# Altium PCB waffling60-MXHS-ISO.PcbDoc (part 1 of 2) (continued)
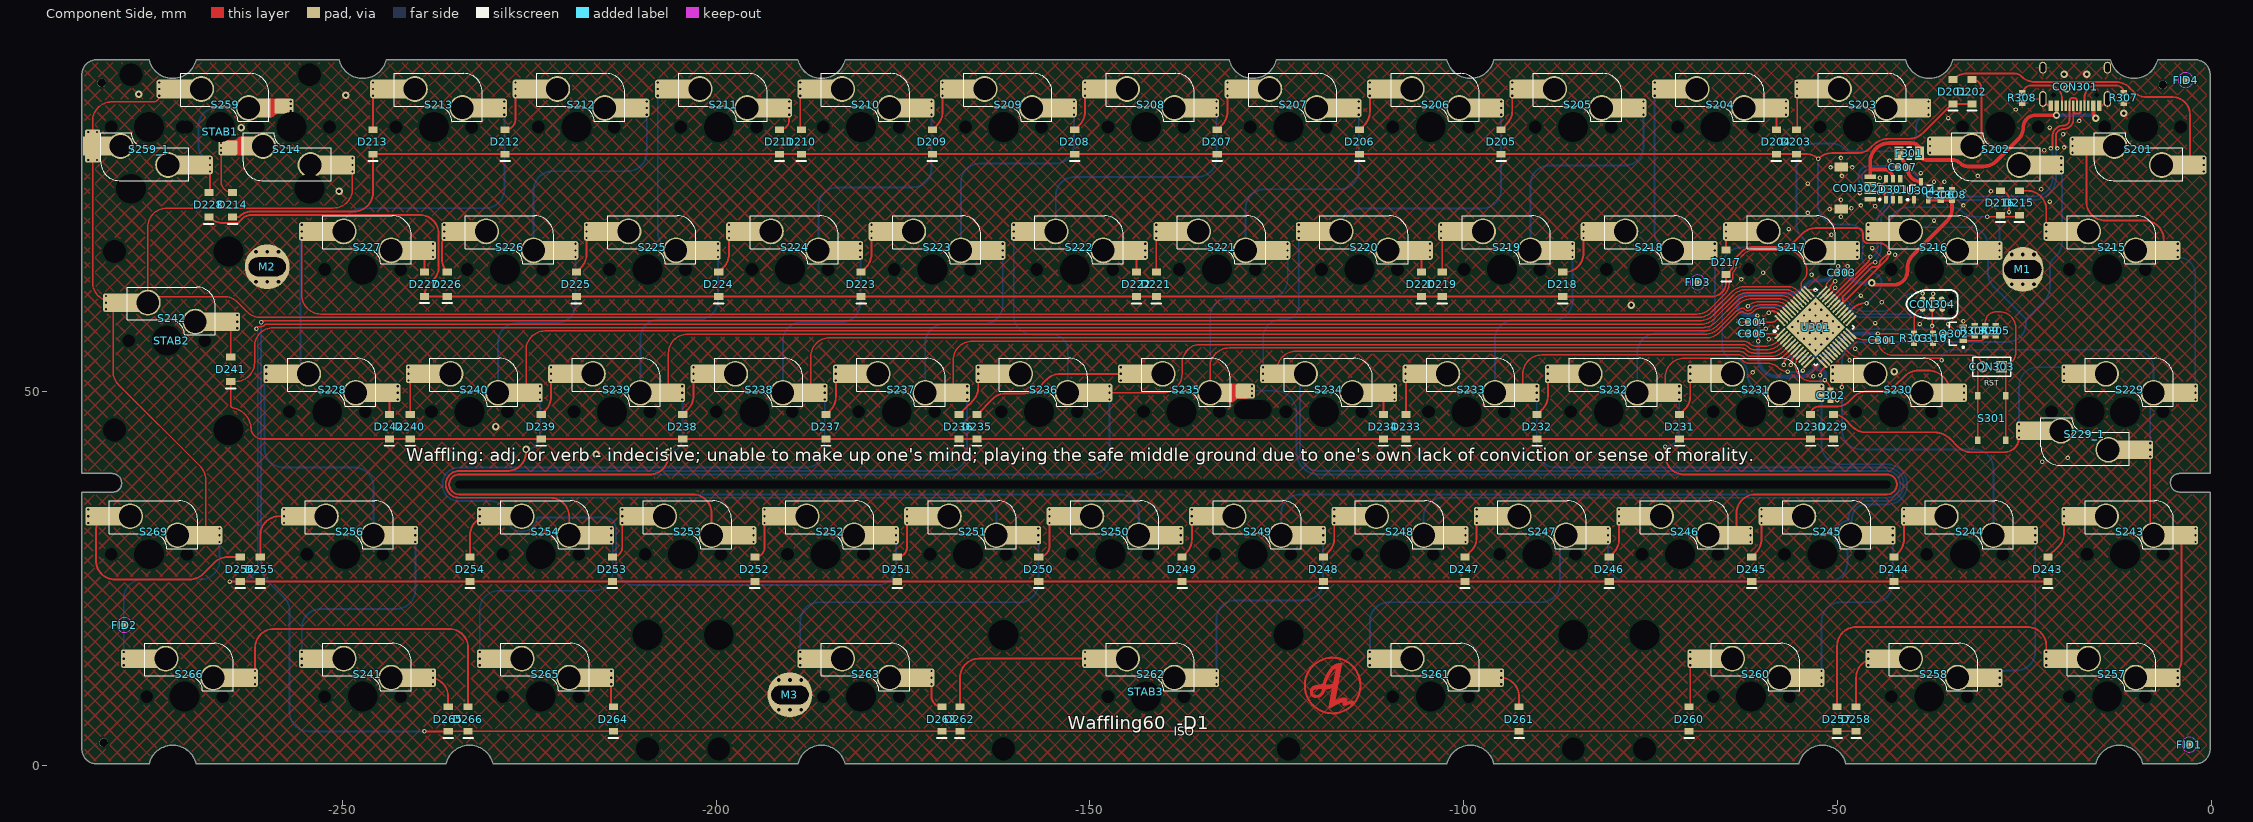
[diagram p0: Component Side view]
## Footprints (in the part's own frame and the unit in brackets; to place one, negate y for a bottom-side part, rotate by r counter-clockwise, add the part's x,y. Pads: shape width x height; smd on the part's side, far side on the other; paste and mask are expansions set on the pad) (continued)
  Component Side region: 6.121,1.295 6.121,3.785 8.839,3.785 8.839,1.905 8.83,1.856 8.802,1.815 8.761,1.788 8.712,1.778 8.712,1.778 7.891,1.778 7.476,1.696 7.125,1.46 7.125,1.461 6.942,1.338 6.726,1.295 6.726,1.295
  silkscreen extent -5.32,0.76 6.48,7.16, body extent -6.6,0.85 7.9,6.75
"MXHS-switch - 1U Top layer - switched pol AS2" [mm]
  round 3.45 hole 3 mask+0: 1(3.81,2.54) 2(-2.54,5.08)
  rect 2.55x2.5 smd paste-40 mask+0.102: 1(5.588,2.54) 2(-4.318,5.08)
  rect 2.55x2.5 smd: 1(7.56,2.54) 2(-6.29,5.08)
  rrect25% 2.55x2.5 smd paste-40 mask+0.102: 1(8.52,2.54) 2(-7.25,5.08)
  round 0.6 hole 0.3 mask+0.102: 1(9.42,1.651) 1(9.42,2.54) 1(9.42,3.429) 2(-8.15,5.969) 2(-8.15,4.191) 2(-8.15,5.08)
  round 1 hole 1.7 unplated: ""(-5.08,0) ""(5.08,0)
  round 1 hole 4 unplated: ""(0,0)
  silkscreen extent -5.32,0.76 6.48,7.16, body extent -6.6,0.85 7.9,6.75
R0603[1608] [mm] "Chip Resistor, 2-Leads, Body 1,57x0,80mm, IPC Medium Density"
  rect 0.8x0.85 smd: 1(-0.65,0) 2(0.65,0)
  body extent -0.83,-0.43 0.82,0.43, height 0.5
SOD-123 [mm]
  rect 0.91x1.22 smd: 1(1.635,0) 2(-1.635,0)
  silkscreen extent -2.54,-0.64 -2.54,0.63, body extent -1.87,-0.85 1.88,0.85, height 1.2
SOT-23-3 [mm] "3.3v regulator, used in Windsond S2 proto 1"
  rect 1x0.55 smd: 1(-1.2,0.95) 2(-1.2,-0.95) 3(1.2,0)
  silkscreen extent -1.33,-1.55 0.7,1.95, body extent -1.45,-1.5 1.1,1.5, height 1
SOT-23-6 [mm]
  rect 1x0.55 smd: 1(-1.375,0.95) 2(-1.375,0) 3(-1.375,-0.95) 4(1.375,-0.95) 5(1.375,0) 6(1.375,0.95)
  silkscreen extent -1.5,-1.55 0.46,1.92, body extent -1.37,-1.44 1.47,1.49, height 1.05
"Stab 2u" [mil]
  round 60 hole 157.01 unplated: ""(-470,-325) ""(470,-325)
  round 60 hole 120 unplated: ""(-470,275) ""(470,275)
  round 39.37 on Mech13: ""(0,0) ""(0,0)
"Stab 3u"#1 [mil]
  round 60 hole 157.01 unplated: ""(-750,-325)
  round 60 hole 120 unplated: ""(-750,275)
  round 39.37 on Mech14: ""(0,0) ""(0,0)
"Stab 3u"#2 [mil]
  round 39.37 on Mech14: ""(0,0) ""(0,0)
  round 60 hole 157.01 unplated: ""(750,-325)
  round 60 hole 120 unplated: ""(750,275)
"Stab 7U" [mil]
  round 60 hole 157.01 unplated: ""(-2250,-325) ""(2250,-325)
  round 60 hole 120 unplated: ""(-2250,275) ""(2250,275)
  round 39.37 on Mech13: ""(0,0)
"Stab 10U" [mil]
  round 60 hole 157.01 unplated: ""(-2625,-325) ""(2625,-325)
  round 60 hole 120 unplated: ""(-2625,275) ""(2625,275)
  round 39.37 on Mech14: ""(0,0)
"STM32 - COMBO 7X7MM" [mm] "LQFP48, 7x7mm"
  oval 1.45x0.3 smd paste-5: 1(-4.225,2.75) 2(-4.225,2.25) 3(-4.225,1.75) 4(-4.225,1.25) 5(-4.225,0.75) 6(-4.225,0.25) 7(-4.225,-0.25) 8(-4.225,-0.75) 9(-4.225,-1.25) 10(-4.225,-1.75) 11(-4.225,-2.25) 12(-4.225,-2.75) 25(4.225,-2.75) 26(4.225,-2.25) 27(4.225,-1.75) 28(4.225,-1.25) 29(4.225,-0.75) 30(4.225,-0.25) 31(4.225,0.25) 32(4.225,0.75) 33(4.225,1.25) 34(4.225,1.75) 35(4.225,2.25) 36(4.225,2.75)
  oval 0.8x0.25 smd: 1(-3.4,2.75) 2(-3.4,2.25) 3(-3.4,1.75) 4(-3.4,1.25) 5(-3.4,0.75) 6(-3.4,0.25) 7(-3.4,-0.25) 8(-3.4,-0.75) 9(-3.4,-1.25) 10(-3.4,-1.75) 11(-3.4,-2.25) 12(-3.4,-2.75) 25(3.4,-2.75) 26(3.4,-2.25) 27(3.4,-1.75) 28(3.4,-1.25) 29(3.4,-0.75) 30(3.4,-0.25) 31(3.4,0.25) 32(3.4,0.75) 33(3.4,1.25) 34(3.4,1.75) 35(3.4,2.25) 36(3.4,2.75)
  oval 0.25x0.8 smd: 13(-2.75,-3.4) 14(-2.25,-3.4) 15(-1.75,-3.4) 16(-1.25,-3.4) 17(-0.75,-3.4) 18(-0.25,-3.4) 19(0.25,-3.4) 20(0.75,-3.4) 21(1.25,-3.4) 22(1.75,-3.4) 23(2.25,-3.4) 24(2.75,-3.4) 37(2.75,3.4) 38(2.25,3.4) 39(1.75,3.4) 40(1.25,3.4) 41(0.75,3.4) 42(0.25,3.4) 43(-0.25,3.4) 44(-0.75,3.4) 45(-1.25,3.4) 46(-1.75,3.4) 47(-2.25,3.4) 48(-2.75,3.4)
  oval 0.3x1.45 smd paste-5: 13(-2.75,-4.225) 14(-2.25,-4.225) 15(-1.75,-4.225) 16(-1.25,-4.225) 17(-0.75,-4.225) 18(-0.25,-4.225) 19(0.25,-4.225) 20(0.75,-4.225) 21(1.25,-4.225) 22(1.75,-4.225) 23(2.25,-4.225) 24(2.75,-4.225) 37(2.75,4.225) 38(2.25,4.225) 39(1.75,4.225) 40(1.25,4.225) 41(0.75,4.225) 42(0.25,4.225) 43(-0.25,4.225) 44(-0.75,4.225) 45(-1.25,4.225) 46(-1.75,4.225) 47(-2.25,4.225) 48(-2.75,4.225)
  rect 5.6x5.6 smd: 47(0,0)
  silkscreen extent -4.43,-3.65 3.65,3.65, body extent -3.52,-3.52 3.52,3.52, height 0.5
TC2030-IDC-NL [mm] "Tag-Connect 6-Pin with No Legs (PN# TC2030-IDC-NL)"
  round 0.9 hole 0.995 unplated: 0(-2.54,0) 0(2.54,-1.016) 0(2.54,1.016)
  round 0.79 smd paste-0.39: 1(-1.27,-0.635) 2(-1.27,0.635) 3(0,-0.635) 4(0,0.635) 5(1.35,-0.635) 6(1.27,0.635)
  silkscreen extent -3.43,-1.91 3.43,1.9
TYPE-C-31-M-12 [mm]
  rect 0.6x1.45 smd: A1B12(-3.25,0) A4B9(-2.45,0) B1A12(3.25,0) B4A9(2.45,0)
  rect 0.3x1.45 smd: A5(-1.25,0) A6(-0.25,0) A7(0.25,0) A8(1.25,0) B5(1.75,0) B6(0.75,0) B7(-0.75,0) B8(-1.75,0)
  oval 1x2.1 / inner oval 1x2.1 / far side oval 1.3x2.4 hole 0.6 slot 1.7 at 90 deg: S1(-4.32,-0.915) S1(4.32,-0.915)
  oval 1x1.6 / inner oval 1x1.6 / far side oval 1.3x2 hole 0.6 slot 1.2 at 90 deg: S1(-4.32,-5.095) S1(4.32,-5.095)
  round 0 hole 0.65 unplated: ""(-2.89,-1.445) ""(2.89,-1.445)
  body extent -4.47,-7.72 4.47,0.18, height 3.21
"XKB Switch" [mm] "XKB Enterprise TS-1187A-C-D-B"
  rect 1x0.75 smd: 1(-3,1.875) 1(3,1.875) 2(-3,-1.875) 2(3,-1.875)
  body extent -3.25,-2.55 3.25,2.55, height 2

## Part data
C301 C302 C303 C304 C305 C306 C308 C310: library part Cap, "Capacitor", LCSC MFG=YAGEO, LCSC Part #=C14663, MFG=KEMET, MFGPN=C0603C104M5RACTU, MRF.Part=CC0603KRX7R9BB104, Version="0603 imperial"
C307: library part Cap, "Capacitor", LCSC MFG="Samsung Electro-Mechanics", LCSC Part #=C15849, MRF.Part=CL10A105KB8NNNC, Version="0603 imperial"
C309: library part Cap, "Capacitor", LCSC MFG="Samsung Electro-Mechanics", LCSC Part #=C19666, Version="0603 imperial"
CON301: LCSC MFG="Korean Hroparts Elec", LCSC Part #=C165948, MFG="Korean Hroparts Elec", MFGPN=TYPE-C-31-M-12, MRF.Part=TYPE-C-31-M-12
CON302: "JST for USB daughter board", LCSC MFG="JST Sales America", LCSC Part #=C160404, MFG="JST Sales America Inc.", MFGPN=SM04B-SRSS-TB(LF)(SN), MRF.Part=SM04B-SRSS-TB(LF)(SN)
CON303: "Header, 2-Pin"
CON304: library part "Header 3X2", "Header, 3-Pin, Dual row"
D201 D202 D203 D204 D205 D206 D207 D208 D209 D210 D211 D212 D213 D214 D215 D216 D217 D218 D219 D220 D221 D222 D223 D224 D225 D226 D227 D228 D229 D230 D231 D232 D233 D234 D235 D236 D237 D238 D239 D240 D241 D242 D243 D244 D245 D246 D247 D248 D249 D250 D251 D252 D253 D254 D255 D256 D257 D258 D260 D261 D262 D263 D264 D265 D266: "Default Diode", LCSC MFG=ST(Semtech), LCSC Part #=C81598, MRF.Part=1N4148W, Version=SOD-123
D301: LCSC MFG="ProTek Devices", LCSC Part #=C85364, MRF.Part=SRV05-4-P-T7
F301: "Thermal Fuse", LCSC MFG="Shenzhen JDT Fuse", LCSC Part #=C135338, MFG="Bel Fuse Inc.", MFGPN=0ZCJ0050FF2G, MRF.Part=ASMD1206-050
Q302: library part MOSFET-N, "N-Channel MOSFET", LCSC MFG="Changjiang Electronics Tech (CJ)", LCSC Part #=C8545, MRF.Part=2N7002
R303 R304: "Resistor", LCSC MFG="Uniroyal Elec", LCSC Part #=C25804, MFG="Panasonic Electronic Components", MFGPN=ERJ-3EKF5101V, MRF.Part=0603WAF1002T5E, Version="0603 imperial"
R305: "Resistor", LCSC MFG="Uniroyal Elec", LCSC Part #=C25803, MRF.Part=0603WAF1003T5E, Version="0603 imperial"
R307 R308: "Resistor", LCSC MFG="Uniroyal Elec", LCSC Part #=C23186, MFG="Panasonic Electronic Components", MFGPN=ERJ-3EKF5101V, MRF.Part=0603WAF5101T5E, Version="0603 imperial"
S201 S202 S203 S204 S205 S206 S207 S208 S209 S210 S211 S212 S213 S214 S216 S217 S218 S219 S220 S221 S222 S223 S224 S225 S226 S227 S228 S229 S229_1 S230 S231 S232 S233 S234 S235 S236 S237 S238 S239 S240 S241 S242 S243 S244 S245 S246 S247 S248 S249 S250 S251 S252 S253 S254 S256 S257 S258 S259 S259_1 S260 S261 S262 S263 S265 S266 S269: library part SW-PB, "Switch", LCSC MFG=Kailh, LCSC Part #=C2803348, MRF.Part=CPG151101S11
S215: library part SW-PB, "TAB", LCSC MFG=Kailh, LCSC Part #=C2803348, MRF.Part=CPG151101S11
S301: "Switch", LCSC MFG="XKB Enterprise", LCSC Part #=C318888, MFG=C&K, MFGPN="PTS645SM43SMTR92 LFS", MRF.Part=TS-1187A-C-D-B
U301: LCSC MFG=Geehy, LCSC Part #=C915660, MRF.Part=APM32F072CBT6
U304: library part "SOT23 LDO", LCSC MFG="Torex Semicon", LCSC Part #=C5446, MFG="Texas Instruments", MFGPN=TPS7A0533PDBZ, MRF.Part=XC6206P332MR

## Free pads (board coordinates)
  round 1.152 hole 1.152 unplated paste+0.148 mask+0.148: ""(-282.194,91.313) ""(-281.94,3.048) ""(-6.477,91.059)
  round 0 hole 1 slot 192 at 0 deg unplated: ""(-138.879,37.607)
  round 0 hole 2.5 slot 5 at 0 deg unplated: ""(-128.212,47.614)

## Via types
v1: diameter 0.6, hole 0.3, Component Side to Bottom Layer, tented both sides, 99 vias
v2: diameter 0.6, hole 0.3, Component Side to Bottom Layer, tented bottom, 25 vias
v3: diameter 1, hole 0.5, Component Side to Bottom Layer, tented both sides, 17 vias

## Nets (pads, with @x,y where several pads share a name; then routed paths per layer and width w, separated by ;. In a path a pad name is that pad's centre, name@x,y a point inside that pad or via, vN(x,y) a via of type N, cw(c..) or ccw(c..) an arc to the next point about the centre after c; other vN are vias at no path point)
BOOT0: C309.1 CON303.1 R304.1 S301.2 U301.44 | length 63.5
  Component Side w0.203: v1(-61.976,61.452) cw(c-60.538,60.014) v1(-61.976,61.452) cw(c-60.538,60.014) -60.538,62.047 -58.055,62.047 cw(c-58.055,60.442) -56.92,61.577 U301.44@-56.45,61.107 ; v1(-35.179,59.055) -34.168,58.044 ccw(c-32.893,59.319) -32.893,57.516 R304.1@-31.623,57.516 -31.598,57.516 -30.596,58.518 -30.524,58.518 C309.1@-30.226,58.816 -30.226,59.253 cw(c-28.773,59.253) -30.121,59.795 cw(c-28.773,59.253) -29.315,60.601 cw(c-28.773,59.253) -28.773,60.706 -28.321,60.706 cw(c-28.321,58.547) -26.162,58.547 -26.162,55.245 cw(c-28.067,55.245) CON303.1@-28.067,53.34 -27.462,52.735 S301.2@-27.462,49.482 S301.2@-27.462,43.482
  Bottom Layer w0.203: v1(-61.976,61.452) -56.208,61.452 ccw(c-56.208,63.431) -54.809,62.031 ; -54.809,62.031 cw(c-53.409,60.632) -53.409,62.611 -51.342,62.611 cw(c-51.342,60.071) -49.545,61.867 -48.366,60.688 ccw(c-46.57,62.484) -46.57,59.944 -36.068,59.944 cw(c-36.068,59.055) v1(-35.179,59.055)
col1: S201.2 S215.2 S229.2 S229_1.1 S243.2 S257.1 U301.20 | length 137.9
  Component Side w0.203: U301.20@-49.414,56.193 -48.448,55.227 ccw(c-46.652,57.023) -46.652,54.483 v1@-36.068,54.483 ; S229_1.1@-8.144,41.346 -8.144,31.228 ccw(c-7.721,31.228) S243.2@-7.721,30.805 ; S243.2@-4.318,31.152 S243.2@-3.971,30.805
  Component Side w0.254: S201.2@-16.71,82.875 -16.71,75.438 ccw(c-14.17,75.438) -14.17,72.898 -8.892,72.898 cw(c-8.892,70.358) -6.352,70.358 S215.2@-6.352,68.905 S215.2@-6.35,68.903 ; S257.1@-6.352,11.755 ccw(c-6.352,14.136) -3.971,14.136 S243.2@-3.971,30.805
  Bottom Layer w0.203: v1(-36.068,54.229) cw(c-34.671,54.229) -34.671,55.626 -10.261,55.626 cw(c-10.261,53.086) -7.721,53.086 S229.2@-7.721,49.855 ccw(c-7.721,49.432) -8.144,49.432 S229_1.1@-8.144,43.124 ; S243.2@-7.747,30.831 ccw(c-7.721,30.831) S243.2@-7.721,30.805 ; S215.2@-4.492,68.016 cw(c-4.492,65.635) -2.111,65.635 S229.2@-2.111,50.744
  Bottom Layer w0.6: S201.2@-18.57,81.986 S201.2@-18.57,82.875 S201.2@-18.57,83.764 ; S229_1.1@-8.144,41.346 S229_1.1@-8.144,42.235 S229_1.1@-8.144,43.124 ; S257.1@-4.492,10.866 S257.1@-4.492,11.755 S257.1@-4.492,12.644 ; S215.2@-4.492,68.016 S215.2@-4.492,68.905 S215.2@-4.492,69.794 ; S243.2@-2.111,29.916 S243.2@-2.111,30.805 S243.2@-2.111,31.694 ; S229.2@-2.111,48.966 S229.2@-2.111,49.855 S229.2@-2.111,50.744
col2: S202.2 S216.2 S230.2 S244.1 S258.2 U301.14 | length 149.1
  Component Side w0.254: U301.14@-51.535,54.071 -50.826,53.362 ccw(c-50.637,53.552) S230.2@-50.637,53.284 ; S230.2@-50.344,53.518 -49.9,53.518 S230.2@-48.777,52.395 ; v1(-49.403,50.6) S230.2@-49.403,51.816
  Bottom Layer w0.254: S216.2@-40.265,71.445 cw(c-39.701,71.445) -39.701,72.009 -32.385,72.009 cw(c-32.385,69.469) -29.845,69.469 -29.845,65.822 ccw(c-27.305,65.822) -29.101,64.026 -24.765,59.69 ; S244.1@-29.15,30.805 -29.15,39.751 ccw(c-31.69,39.751) -31.69,42.291 -46.827,42.291 cw(c-46.827,44.831) -49.367,44.831 -49.367,54.102 cw(c-46.827,54.102) -46.827,56.642 -27.305,56.642 ccw(c-27.305,59.182) -24.765,59.182 -24.765,59.69 ; S258.2@-28.304,12.644 -27.94,12.644 ccw(c-27.94,15.184) -27.41,12.7 -26.08,12.7 ccw(c-26.08,15.24) -23.54,15.24 S244.1@-23.54,29.916 ; S202.2@-20.05,79.446 cw(c-20.05,79.353) -19.957,79.353 -19.957,69.995 cw(c-22.497,69.995) -20.701,68.199 -21.209,67.691 ccw(c-20.289,66.771) -21.59,66.771 -21.59,63.917 cw(c-24.13,63.917) -22.334,62.121 -24.765,59.69
  Bottom Layer w0.6: S230.2@-50.637,51.506 S230.2@-50.637,52.395 S230.2@-50.637,53.284 ; S216.2@-45.875,70.556 S216.2@-45.875,71.445 S216.2@-45.875,72.334 ; S258.2@-28.304,10.866 S258.2@-28.304,11.755 S258.2@-28.304,12.644 ; S244.1@-23.54,29.916 S244.1@-23.54,30.805 S244.1@-23.54,31.694 ; S202.2@-20.05,79.446 S202.2@-20.05,80.335 S202.2@-20.05,81.224
col3: S203.2 S217.2 S231.2 S245.2 S260.2 U301.13 | length 149.7
  Component Side w0.254: v1(-52.324,52.197) cw(c-51.232,52.197) -52.258,52.571 cw(c-51.232,52.197) -52.005,52.969 ; -52.004,52.969 -51.587,53.386 -51.557,53.386 U301.13@-51.556,53.385 ; S217.2@-50.363,70.028 S217.2@-49.215,68.905 ; S203.2@-39.69,87.955 cw(c-39.634,87.955) -39.634,88.011 S203.2@-37.719,88.011
  Bottom Layer w0.254: S231.2@-57.727,49.855 -59.486,49.855 cw(c-59.486,52.395) -61.916,51.656 cw(c-59.486,52.395) -62.025,52.351 cw(c-61.771,52.354) -62.025,52.357 ccw(c-64.077,52.395) -63.242,54.269 ccw(c-64.077,52.395) -64.025,54.446 cw(c-64.017,54.7) -64.061,54.45 cw(c-63.763,56.065) -65.405,56.065 -65.405,66.748 cw(c-62.865,66.748) -62.865,69.288 -53.89,69.288 cw(c-53.89,67.98) -52.965,68.905 -54.755,70.695 cw(c-52.959,72.491) -55.491,72.289 cw(c-52.959,72.491) -55.499,72.491 -55.499,80.645 cw(c-52.959,80.645) -52.959,83.185 -50.682,83.185 cw(c-50.682,81.017) -49.149,82.55 ccw(c-48.229,83.47) -48.229,82.169 -42.037,82.169 ccw(c-42.037,84.709) -40.811,82.484 ccw(c-42.037,84.709) -39.497,84.709 -39.497,85.399 cw(c-37.83,85.399) S203.2@-37.83,87.066 ; v1(-52.324,52.197) -52.324,52.13 -52.197,52.003 cw(c-52.451,52.004) -52.231,51.878 ccw(c-51.689,51.562) -52.174,51.164 cw(c-52.371,51.004) -52.117,51.005 S231.2@-52.117,50.744 ; S260.2@-52.117,12.644 -52.117,19.304 cw(c-49.577,19.304) -49.577,21.844 -45.132,21.844 ccw(c-45.132,24.384) -42.592,24.384 S245.2@-42.592,29.916 ; S231.2@-52.117,48.966 -52.117,42.841 ccw(c-49.577,42.841) -49.577,40.301 -43.379,40.301 cw(c-43.379,37.607) -42.429,35.086 ; S245.2@-48.202,30.805 -48.202,32.537 cw(c-47.948,32.536) -48.165,32.669 ccw(c-48.767,33.041) -48.061,32.984 ccw(c-48.514,33.02) -48.06,33.02 cw(c-46.167,33.02) -47.581,34.279 cw(c-46.167,33.02) -46.167,34.913 -43.379,34.913 ccw(c-43.379,37.607) -42.429,35.086 ; -42.428,35.087 ccw(c-43.379,37.607) -40.69,37.77 ; -40.884,36.591 cw(c-43.379,37.607) -42.429,35.086
  Bottom Layer w0.6: S260.2@-52.117,10.866 S260.2@-52.117,11.755 S260.2@-52.117,12.644 ; S231.2@-52.117,48.966 S231.2@-52.117,49.855 S231.2@-52.117,50.744 ; S217.2@-47.355,68.016 S217.2@-47.355,68.905 S217.2@-47.355,69.794 ; S245.2@-42.592,29.916 S245.2@-42.592,30.805 S245.2@-42.592,31.694 ; S203.2@-37.83,87.066 S203.2@-37.83,87.955 S203.2@-37.83,88.844
col4: S204.2 S218.2 S232.2 S246.2 U301.12 | length 147.5
  Component Side w0.203: S232.2@-73.027,49.855 -73.027,51.943 cw(c-70.487,51.943) -70.487,54.483 -63.468,54.483 cw(c-63.468,53.334) -62.656,54.147 ccw(c-61.843,54.959) -61.843,53.81 -59.29,53.81 cw(c-59.29,51.924) -57.957,53.258 -57.943,53.244 ccw(c-56.642,54.545) v1(-56.642,52.705) ; -54.534,53.133 -53.895,53.771 U301.12@-53.858,53.771
  Component Side w0.254: v1(-73.025,42.672) -73.025,41.479 ccw(c-70.485,41.479) -70.485,38.939 -43.379,38.939 cw(c-43.379,37.607) -43.379,36.275 -60.962,36.275 ccw(c-60.962,33.735) -63.48,34.068 ccw(c-60.962,33.735) -63.502,33.735 S246.2@-63.502,30.805 ; S218.2@-68.265,68.905 S218.2@-68.199,68.971
  Bottom Layer w0.254: S232.2@-76.777,49.855 -76.777,55.245 cw(c-74.237,55.245) -74.237,57.785 -68.945,57.785 ccw(c-68.945,60.325) -66.405,60.325 S218.2@-66.405,68.016 ; S204.2@-74.45,89.606 -74.45,71.34 ccw(c-72.015,71.34) S218.2@-72.015,68.905 ; v1(-73.025,42.672) ccw(c-73.025,44.53) -71.167,44.53 S232.2@-71.167,48.966 ; v1(-56.642,52.705) ccw(c-56.584,52.705) -56.584,52.647 -54.854,52.647 ccw(c-54.854,52.901) v1(-54.61,52.832)
  Bottom Layer w0.6: S204.2@-74.45,89.606 S204.2@-74.45,90.495 S204.2@-74.45,91.384 ; S232.2@-71.167,48.966 S232.2@-71.167,49.855 S232.2@-71.167,50.744 ; S218.2@-66.405,68.016 S218.2@-66.405,68.905 S218.2@-66.405,69.794 ; S246.2@-61.642,29.916 S246.2@-61.642,30.805 S246.2@-61.642,31.694
col5: S205.2 S219.2 S233.2 S247.2 S261.2 U301.6 | length 259.8
  Component Side w0.203: S233.2@-92.077,49.855 -92.077,52.389 cw(c-89.537,52.389) -89.537,54.929 -78.144,54.929 -78.121,54.951 -74.631,54.951 -74.616,54.937 -63.28,54.937 cw(c-63.28,53.788) -62.468,54.601 cw(c-62.555,54.362) -62.407,54.568 ccw(c-61.468,55.865) -61.468,54.264 -58.724,54.264 ccw(c-58.724,56.804) -56.928,55.008 U301.6@-56.096,55.839
  Bottom Layer w0.254: S261.2@-112.549,15.184 -112.549,19.304 cw(c-110.009,19.304) -110.009,21.844 -89.662,21.844 ccw(c-89.662,24.384) -87.122,24.384 -87.122,29.985 cw(c-86.302,29.985) S247.2@-86.302,30.805 ; S233.2@-95.827,49.855 -95.827,57.023 cw(c-93.287,57.023) -93.287,59.563 -87.995,59.563 ccw(c-87.995,62.103) -85.455,62.103 S219.2@-85.455,68.016 ; S219.2@-91.065,68.905 -91.065,77.724 cw(c-88.525,77.724) -88.525,80.264 -78.47,80.264 ccw(c-78.47,82.804) -75.93,82.804 S205.2@-75.93,87.066 ; S233.2@-90.217,48.966 -90.217,42.387 ccw(c-87.677,42.387) -87.677,39.847 -43.379,39.847 cw(c-43.379,37.607) -43.379,35.367 -46.167,35.367 ccw(c-46.167,33.02) -48.514,33.02 cw(c-48.767,33.041) -48.704,32.795 ccw(c-48.202,30.805) -48.833,28.852 cw(c-48.912,28.611) -48.658,28.612 -48.658,27.178 cw(c-51.198,27.178) -51.198,24.638 -78.152,24.638 cw(c-78.152,27.178) -80.692,27.178 S247.2@-80.692,29.916
  Bottom Layer w0.6: S261.2@-112.549,13.406 S261.2@-112.549,14.295 S261.2@-112.549,15.184 ; S233.2@-90.217,48.966 S233.2@-90.217,49.855 S233.2@-90.217,50.744 ; S219.2@-85.455,68.016 S219.2@-85.455,68.905 S219.2@-85.455,69.794 ; S247.2@-80.692,29.916 S247.2@-80.692,30.805 S247.2@-80.692,31.694 ; S205.2@-75.93,87.066 S205.2@-75.93,87.955 S205.2@-75.93,88.844
col6: S206.2 S220.2 S234.2 S248.2 U301.5 | length 296.4
  Component Side w0.203: S234.2@-124.977,52.395 -124.977,52.865 cw(c-122.437,52.865) -122.437,55.405 -74.443,55.405 -74.428,55.391 -63.092,55.391 cw(c-63.092,54.242) -62.28,55.055 ; -62.278,55.053 ccw(c-61.468,55.865) -61.468,54.718 -58.977,54.718 ccw(c-58.977,57.258) -57.181,55.462 U301.5@-56.45,56.193
  Component Side w0.254: S220.2@-120.215,70.812 S220.2@-120.215,71.445
  Bottom Layer w0.203: S234.2@-126.837,53.284 -126.837,57.15 cw(c-124.297,57.15) -124.297,59.69 -123.825,59.69 ccw(c-123.825,61.44) -122.075,61.44 S220.2@-122.075,70.556
  Bottom Layer w0.254: S234.2@-121.227,52.395 ccw(c-121.227,51.702) -121.92,51.702 -121.92,41.933 ccw(c-119.38,41.933) -119.38,39.393 -43.379,39.393 cw(c-43.379,37.607) -43.379,35.821 -102.812,35.821 ccw(c-102.812,33.281) -105.352,33.281 S248.2@-105.352,30.805 ; S220.2@-116.465,71.445 -116.465,71.998 cw(c-113.925,71.998) -113.925,74.538 -97.52,74.538 ccw(c-97.52,77.078) -94.98,77.078 S206.2@-94.98,87.066
  Bottom Layer w0.6: S234.2@-126.837,51.506 S234.2@-126.837,52.395 S234.2@-126.837,53.284 ; S220.2@-122.075,70.556 S220.2@-122.075,71.445 S220.2@-122.075,72.334 ; S248.2@-99.742,29.916 S248.2@-99.742,30.805 S248.2@-99.742,31.694 ; S206.2@-94.98,87.066 S206.2@-94.98,87.955 S206.2@-94.98,88.844
col7: S207.2 S221.2 S235.2 S249.2 S262.1 U301.4 | length 361.1
  Component Side w0.203: S235.2@-133.927,49.855 -133.927,53.319 cw(c-131.387,53.319) -131.387,55.859 -62.928,55.859 cw(c-62.928,54.686) -62.099,55.516 ; -62.099,55.516 cw(c-62.187,55.278) -62.038,55.484 ccw(c-61.081,56.8) -61.081,55.172 -59.23,55.172 ccw(c-59.23,57.712) -57.434,55.916 U301.4@-56.803,56.546
  Bottom Layer w0.203: S235.2@-133.927,49.855 -133.927,59.944 cw(c-131.387,59.944) -131.387,62.484 -126.095,62.484 ccw(c-126.095,65.024) -123.555,65.024 S221.2@-123.555,68.016 ; S235.2@-128.317,50.11 -125.169,50.11 cw(c-125.169,47.315) -122.374,47.315 -122.374,45.847
  Bottom Layer w0.254: S262.1@-133.079,12.644 -133.079,19.558 cw(c-130.539,19.558) -130.539,22.098 -121.332,22.098 ccw(c-121.332,24.638) -118.792,24.638 S249.2@-118.792,29.916 ; S221.2@-129.165,68.905 -129.165,74.549 cw(c-126.625,74.549) -126.625,77.089 -116.57,77.089 ccw(c-116.57,79.629) -114.03,79.629 S207.2@-114.03,87.066 ; S249.2@-124.402,30.805 -124.402,33.735 cw(c-121.862,33.735) -121.862,36.275 -43.379,36.275 ccw(c-43.379,37.607) -43.379,38.939 -119.38,38.939 cw(c-119.38,41.933) -122.374,41.933 -122.374,45.847
  Bottom Layer w0.6: S262.1@-133.079,10.866 S262.1@-133.079,11.755 S262.1@-133.079,12.644 ; S235.2@-128.317,49.465 S235.2@-128.317,50.11 S235.2@-128.317,50.744 ; S221.2@-123.555,68.016 S221.2@-123.555,68.905 S221.2@-123.555,69.794 ; S249.2@-118.792,29.916 S249.2@-118.792,30.805 S249.2@-118.792,31.694 ; S207.2@-114.03,87.066 S207.2@-114.03,87.955 S207.2@-114.03,88.844
col8: S208.2 S222.2 S236.2 S250.2 U301.3 | length 363
  Component Side w0.203: S236.2@-149.227,49.855 -140.098,49.855 ccw(c-140.098,52.214) -138.43,50.546 -138.412,50.564 ccw(c-140.208,52.36) -137.668,52.36 -137.668,53.773 cw(c-135.053,53.773) -135.673,56.313 -62.74,56.313 cw(c-62.74,55.14) -61.911,55.97 ccw(c-61.081,56.8) -61.081,55.626 -59.483,55.626 ccw(c-59.483,58.166) -57.687,56.37 U301.3@-57.157,56.9
  Component Side w0.254: S222.2@-159.004,72.134 ccw(c-158.315,72.134) S222.2@-158.315,71.445 ; S250.2@-140.607,31.71 S250.2@-139.827,30.93 ; S250.2@-139.827,30.93 ccw(c-139.702,30.93) S250.2@-139.702,30.805 S250.2@-139.827,30.93
  Bottom Layer w0.203: S222.2@-160.175,70.556 -160.175,60.198 ccw(c-157.635,60.198) -157.635,57.658 -155.067,57.658 cw(c-155.067,55.568) -152.977,55.568 S236.2@-152.977,49.855
  Bottom Layer w0.254: S222.2@-154.565,71.445 -154.565,76.2 cw(c-152.025,76.2) -152.025,78.74 -135.62,78.74 ccw(c-135.62,81.28) -133.08,81.28 S208.2@-133.08,87.066 ; S236.2@-147.367,48.966 -147.367,41.479 cw(c-149.907,41.479) -149.907,38.939 -160.655,38.939 -234.379,38.939 ccw(c-234.379,37.607) -234.379,36.275 -145.992,36.275 cw(c-145.992,33.735) -143.452,33.735 S250.2@-143.452,30.805
  Bottom Layer w0.6: S222.2@-160.175,70.556 S222.2@-160.175,71.445 S222.2@-160.175,72.334 ; S236.2@-147.367,48.966 S236.2@-147.367,49.855 S236.2@-147.367,50.744 ; S250.2@-137.842,29.916 S250.2@-137.842,30.805 S250.2@-137.842,31.694 ; S208.2@-133.08,87.066 S208.2@-133.08,87.955 S208.2@-133.08,88.844
col9: S209.2 S223.2 S237.2 S251.2 S263.2 U301.2 | length 386.5
  Component Side w0.203: S237.2@-168.277,49.855 -168.277,54.227 cw(c-165.737,54.227) -165.737,56.767 -62.552,56.767 cw(c-62.552,55.594) -61.723,56.424 ; -61.722,56.424 ccw(c-60.893,57.254) -60.893,56.08 -59.736,56.08 ccw(c-59.736,58.62) -57.94,56.824 U301.2@-57.511,57.253
  Component Side w0.254: S223.2@-163.703,69.093 -163.576,68.966 ccw(c-163.515,68.966) S223.2@-163.515,68.905 ; S251.2@-158.877,30.68 S251.2@-158.755,30.803 ; S251.2@-158.755,30.495 S251.2@-158.755,30.803 ; S251.2@-158.752,30.805 S251.2@-158.755,30.803
  Bottom Layer w0.254: S263.2@-188.749,15.184 -188.749,19.304 cw(c-186.209,19.304) -186.209,21.844 -159.432,21.844 ccw(c-159.432,24.384) -156.892,24.384 S251.2@-156.892,29.916 ; S237.2@-172.027,49.855 -172.027,56.515 cw(c-169.487,56.515) -169.487,59.055 -164.195,59.055 ccw(c-164.195,61.595) -161.655,61.595 S223.2@-161.655,68.016 ; S223.2@-167.265,68.905 -167.265,77.978 cw(c-164.725,77.978) -164.725,80.518 -154.67,80.518 ccw(c-154.67,83.058) -152.13,83.058 S209.2@-152.13,87.066 ; S237.2@-166.417,48.966 -166.417,41.933 cw(c-168.957,41.933) -168.957,39.393 -234.379,39.393 ccw(c-234.379,37.607) -234.379,35.821 -165.042,35.821 cw(c-165.042,33.281) -162.502,33.281 S251.2@-162.502,30.805
  Bottom Layer w0.6: S263.2@-188.749,13.406 S263.2@-188.749,14.295 S263.2@-188.749,15.184 ; S237.2@-166.417,48.966 S237.2@-166.417,49.855 S237.2@-166.417,50.744 ; S223.2@-161.655,68.016 S223.2@-161.655,68.905 S223.2@-161.655,69.794 ; S251.2@-156.892,29.916 S251.2@-156.892,30.805 S251.2@-156.892,31.694 ; S209.2@-152.13,87.066 S209.2@-152.13,87.955 S209.2@-152.13,88.844
col10: S210.2 S224.2 S238.2 S252.2 U301.46 | length 340.6
  Component Side w0.203: S238.2@-187.327,49.855 -187.327,54.681 cw(c-184.787,54.681) -184.787,57.221 -184.762,57.196 -67.612,57.196 ccw(c-67.612,59.736) -65.816,57.94 -63.847,59.91 -63.319,60.438 cw(c-63.176,60.293) -63.301,60.454 ccw(c-63.67,60.934) -63.278,60.472 cw(c-62.357,59.39) -62.832,60.729 cw(c-62.765,60.537) -62.631,60.69 -62.629,60.688 ccw(c-61.976,61.452) -61.774,60.468 ccw(c-61.976,61.452) -61.231,60.778 cw(c-60.135,59.682) -60.135,61.232 -58.603,61.232 cw(c-58.603,59.812) -57.599,60.816 -57.183,60.4 U301.46@-57.157,60.4
  Bottom Layer w0.254: S238.2@-191.077,49.855 -191.077,56.769 cw(c-188.537,56.769) -188.537,59.309 -183.245,59.309 ccw(c-183.245,61.849) -182.565,59.402 ccw(c-183.245,61.849) -180.705,61.849 S224.2@-180.705,68.016 ; S224.2@-186.315,68.905 -186.315,74.803 cw(c-183.775,74.803) -183.775,77.343 -173.72,77.343 ccw(c-173.72,79.883) -171.18,79.883 S210.2@-171.18,87.066 ; S238.2@-185.467,48.966 -185.467,42.387 cw(c-188.007,42.387) -188.007,39.847 -234.379,39.847 ccw(c-234.379,37.607) -234.379,35.367 -230.145,35.367 cw(c-230.145,33.275) -228.054,33.349 cw(c-228.308,33.341) -228.054,33.343 ccw(c-226.002,33.345) -223.982,32.986 cw(c-223.732,32.94) -223.733,33.194 -214.915,33.194 cw(c-214.915,31.694) -213.415,31.694 -213.415,26.67 ccw(c-210.875,26.67) -210.875,24.13 -178.482,24.13 ccw(c-178.482,26.67) -175.942,26.67 S252.2@-175.942,29.916
  Bottom Layer w0.6: S238.2@-185.467,48.966 S238.2@-185.467,49.855 S238.2@-185.467,50.744 ; S224.2@-180.705,68.016 S224.2@-180.705,68.905 S224.2@-180.705,69.794 ; S252.2@-175.942,29.916 S252.2@-175.942,30.805 S252.2@-175.942,31.694 ; S210.2@-171.18,87.066 S210.2@-171.18,87.955 S210.2@-171.18,88.844
col11: S211.2 S225.2 S239.2 S253.2 U301.45 | length 294
  Component Side w0.203: S239.2@-206.377,49.855 -206.377,55.135 cw(c-203.812,55.135) -203.812,57.701 -67.678,57.701 ccw(c-67.678,60.241) -65.882,58.445 -64.132,60.195 -63.595,60.732 cw(c-63.309,60.447) -63.593,60.734 cw(c-63.309,60.447) -63.549,60.771 ccw(c-63.67,60.934) -63.539,60.779 cw(c-62.357,59.39) -62.667,61.187 cw(c-62.633,60.987) -62.468,61.105 ccw(c-61.976,61.452) -62.429,61.056 ; -62.365,60.993 ccw(c-61.976,61.452) -61.457,61.148 cw(c-60.258,59.949) -61.456,61.149 cw(c-60.258,59.949) -60.258,61.644 -58.324,61.644 cw(c-58.324,60.124) -57.249,61.199 U301.45@-56.803,60.754
  Component Side w0.254: v3(-206.375,41.91) -206.375,41.479 cw(c-208.915,41.479) -208.915,38.939 -234.379,38.939 ccw(c-234.379,37.607) -234.379,36.275 -203.142,36.275 cw(c-203.142,33.735) -200.602,33.735 S253.2@-200.602,30.805
  Bottom Layer w0.254: S239.2@-210.127,49.855 -210.127,57.15 cw(c-207.587,57.15) -207.587,59.69 -202.295,59.69 ccw(c-202.295,62.23) -199.755,62.23 S225.2@-199.755,68.016 ; S211.2@-207.8,89.606 -207.8,71.34 ccw(c-205.365,71.34) S225.2@-205.365,68.905 ; v3(-206.375,41.91) ccw(c-206.375,43.768) -204.517,43.768 S239.2@-204.517,48.966
  Bottom Layer w0.6: S211.2@-207.8,89.606 S211.2@-207.8,90.495 S211.2@-207.8,91.384 ; S239.2@-204.517,48.966 S239.2@-204.517,49.855 S239.2@-204.517,50.744 ; S225.2@-199.755,68.016 S225.2@-199.755,68.905 S225.2@-199.755,69.794 ; S253.2@-194.992,29.916 S253.2@-194.992,30.805 S253.2@-194.992,31.694
col12: S212.2 S226.2 S240.2 S254.2 S265.2 U301.43 | length 318.5
  Component Side w0.203: S240.2@-225.427,49.855 -225.427,55.589 cw(c-222.887,55.589) -222.887,58.129 -67.855,58.129 ccw(c-67.855,60.669) -66.059,58.873 -63.226,61.707 cw(c-61.43,59.911) -61.43,62.451 -57.786,62.451 cw(c-57.786,60.761) -56.591,61.956 U301.43@-56.096,61.461
  Component Side w0.254: v3(-225.425,42.291) -225.425,41.933 cw(c-227.965,41.933) -227.965,39.393 -234.379,39.393 ccw(c-234.379,37.607) -234.379,35.821 -222.192,35.821 cw(c-222.192,33.281) -219.652,33.281 S254.2@-219.652,30.805 ; S226.2@-220.853,69.359 ccw(c-220.211,69.359) S226.2@-220.665,68.905
  Bottom Layer w0.203: S265.2@-231.612,15.184 -231.612,20.828 cw(c-229.072,20.828) -229.072,23.368 -216.384,23.368 ccw(c-216.384,25.908) -213.844,25.908 -213.844,29.718 ccw(c-214.042,29.718) S254.2@-214.042,29.916
  Bottom Layer w0.254: S240.2@-229.177,49.855 -229.177,56.642 cw(c-226.637,56.642) -226.637,59.182 -221.345,59.182 ccw(c-221.345,61.722) -220.853,59.23 ccw(c-221.345,61.722) -218.805,61.722 S226.2@-218.805,68.016 ; v3(-225.425,42.291) ccw(c-225.425,44.149) -223.567,44.149 S240.2@-223.567,48.966 ; S226.2@-224.415,68.905 -224.415,76.962 cw(c-221.875,76.962) -221.875,79.502 -211.82,79.502 ccw(c-211.82,82.042) -209.28,82.042 S212.2@-209.28,87.066
  Bottom Layer w0.6: S265.2@-231.612,13.406 S265.2@-231.612,14.295 S265.2@-231.612,15.184 ; S240.2@-223.567,48.966 S240.2@-223.567,49.855 S240.2@-223.567,50.744 ; S226.2@-218.805,68.016 S226.2@-218.805,68.905 S226.2@-218.805,69.794 ; S254.2@-214.042,29.916 S254.2@-214.042,30.805 S254.2@-214.042,31.694 ; S212.2@-209.28,87.066 S212.2@-209.28,87.955 S212.2@-209.28,88.844